# KiCad board ProDocument_ZYNQ7020_V1_2024-04-10.kicad_pcb (continued)
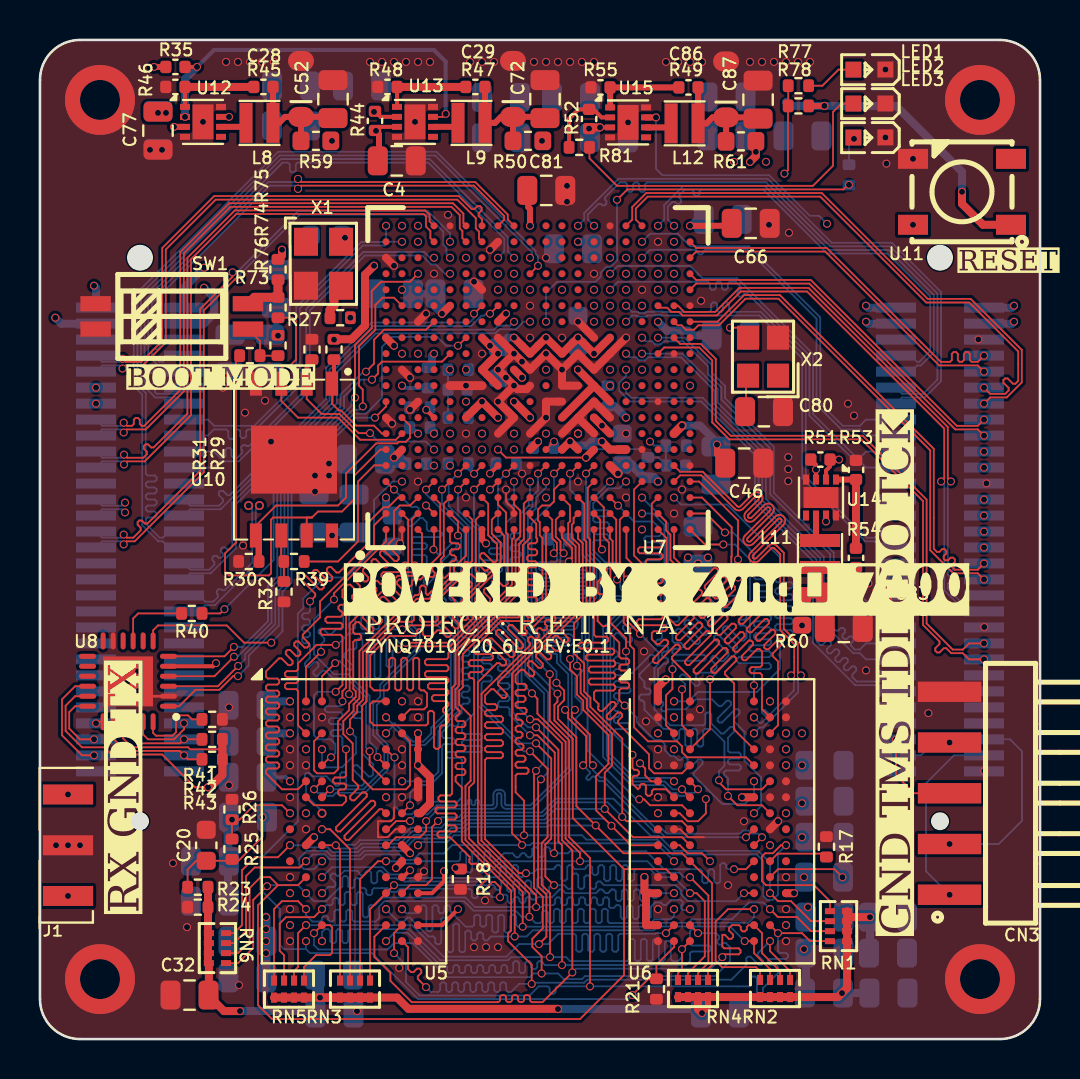
[diagram p0: board, top side]
## Nets (continued)
AIO_16_N: CN1.54 U7.W20
AIO_16_P: CN1.52 U7.V20
AIO_17_N: CN1.53 U7.Y19
AIO_17_P: CN1.51 U7.Y18
AIO_18_N: CN1.31 U7.W16
AIO_18_P: CN1.29 U7.V16
AIO_19_N: CN1.42 U7.R17
AIO_19_P: CN1.40 U7.R16
AIO_20_N: U7.R18
AIO_20_P: U7.T17
AIO_21_N: CN1.35 U7.V18
AIO_21_P: CN1.33 U7.V17
AIO_22_N: CN1.41 U7.W19
AIO_22_P: CN1.39 U7.W18
AIO_23_N: U7.P18
AIO_23_P: U7.N17
AIO_24_N: CN1.36 U7.P16
AIO_24_P: CN1.34 U7.P15
AIO_25: U7.T19
BIO_0: U7.G14
BIO_1_N: CN2.50 U7.B20
BIO_1_P: CN2.48 U7.C20
BIO_2_N: CN2.45 U7.A20
BIO_2_P: CN2.43 U7.B19
BIO_3_N: CN2.41 U7.D18
BIO_3_P: CN2.39 U7.E17
BIO_4_N: CN2.42 U7.D20
BIO_4_P: CN2.40 U7.D19
BIO_5_N: CN2.32 U7.E19
BIO_5_P: CN2.30 U7.E18
BIO_6_N: U7.F17
BIO_6_P: U7.F16
BIO_7_N: U7.M20
BIO_7_P: U7.M19
BIO_8_N: U7.M18
BIO_8_P: U7.M17
BIO_9_N: U7.L20
BIO_9_P: U7.L19
BIO_10_N: U7.J19
BIO_10_P: U7.K19
BIO_11_N: U7.L17
BIO_11_P: U7.L16
BIO_12_N: CN2.31 U7.K18
BIO_12_P: CN2.29 U7.K17
BIO_13_N: CN2.36 U7.H17
BIO_13_P: CN2.34 U7.H16
BIO_14_N: CN2.49 U7.H18
BIO_14_P: CN2.47 U7.J18
BIO_15_N: CN2.46 U7.F20
BIO_15_P: CN2.44 U7.F19
BIO_16_N: U7.G18
BIO_16_P: U7.G17
BIO_17_N: CN2.53 U7.H20
BIO_17_P: CN2.51 U7.J20
BIO_18_N: CN2.54 U7.G20
BIO_18_P: CN2.52 U7.G19
BIO_19_N: CN2.35 U7.G15
BIO_19_P: CN2.33 U7.H15
BIO_20_N: CN2.27 U7.J14
BIO_20_P: CN2.25 U7.K14
BIO_21_N: U7.N16
BIO_21_P: U7.N15
BIO_22_N: U7.L15
BIO_22_P: R82.2 U7.L14
BIO_23_N: U7.M15
BIO_23_P: U7.M14
BIO_24_N: CN2.23 U7.J16
BIO_24_P: CN2.21 U7.K16
BIO_25: U7.J15
DDR_A0: RN4.2 U5.N3 U6.N3 U7.N2
DDR_A1: RN2.1 U5.P7 U6.P7 U7.K2
DDR_A2: RN5.2 U5.P3 U6.P3 U7.M3
DDR_A3: RN6.4 U5.N2 U6.N2 U7.K3
DDR_A4: RN1.2 U5.P8 U6.P8 U7.M4
DDR_A5: RN5.1 U5.P2 U6.P2 U7.L1
DDR_A6: RN1.1 U5.R8 U6.R8 U7.L4
DDR_A7: RN5.3 U5.R2 U6.R2 U7.K4
DDR_A8: RN2.4 U5.T8 U6.T8 U7.K1
DDR_A9: RN5.4 U5.R3 U6.R3 U7.J4
DDR_A10: RN3.3 U5.L7 U6.L7 U7.F5
DDR_A11: RN2.3 U5.R7 U6.R7 U7.G4
DDR_A12: RN3.4 U5.N7 U6.N7 U7.E4
DDR_A13: RN4.1 U5.T3 U6.T3 U7.D4
DDR_A14: RN2.2 U5.T7 U6.T7 U7.F4
DDR_BA0: RN6.3 U5.M2 U6.M2 U7.L5
DDR_BA1: RN1.3 U5.N8 U6.N8 U7.R4
DDR_BA2: RN4.3 U5.M3 U6.M3 U7.J5
DDR_CAS: RN3.1 U5.K3 U6.K3 U7.P5
DDR_CKE: RN1.4 U5.K9 U6.K9 U7.N3
DDR_CLK_N: R22.2 U5.K7 U6.K7 U7.M2
DDR_CLK_P: R22.1 U5.J7 U6.J7 U7.L2
DDR_CS: RN6.2 U5.L2 U6.L2 U7.N1
DDR_D0: U5.E3 U7.C3
DDR_D1: U5.F7 U7.B3
DDR_D2: U5.F2 U7.A2
DDR_D3: U5.F8 U7.A4
DDR_D4: U5.H3 U7.D3
DDR_D5: U5.H8 U7.D1
DDR_D6: U5.G2 U7.C1
DDR_D7: U5.H7 U7.E1
DDR_D8: U5.D7 U7.E2
DDR_D9: U5.C3 U7.E3
DDR_D10: U5.C8 U7.G3
DDR_D11: U5.C2 U7.H3
DDR_D12: U5.A7 U7.J3
DDR_D13: U5.A2 U7.H2
DDR_D14: U5.B8 U7.H1
DDR_D15: U5.A3 U7.J1
DDR_D16: U6.E3 U7.P1
DDR_D17: U6.F7 U7.P3
DDR_D18: U6.F2 U7.R3
DDR_D19: U6.F8 U7.R1
DDR_D20: U6.H3 U7.T4
DDR_D21: U6.H8 U7.U4
DDR_D22: U6.G2 U7.U2
DDR_D23: U6.H7 U7.U3
DDR_D24: U6.D7 U7.V1
DDR_D25: U6.C3 U7.Y3
DDR_D26: U6.C8 U7.W1
DDR_D27: U6.C2 U7.Y4
DDR_D28: U6.A7 U7.Y2
DDR_D29: U6.A2 U7.W3
DDR_D30: U6.B8 U7.V2
DDR_D31: U6.A3 U7.V3
DDR_DM0: U5.E7 U7.A1
DDR_DM1: U5.D3 U7.F1
DDR_DM2: U6.E7 U7.T1
DDR_DM3: U6.D3 U7.Y1
DDR_DQS0_N: U5.G3 U7.B2
DDR_DQS0_P: U5.F3 U7.C2
DDR_DQS1_N: U5.B7 U7.F2
DDR_DQS1_P: U5.C7 U7.G2
DDR_DQS2_N: U6.G3 U7.T2
DDR_DQS2_P: U6.F3 U7.R2
DDR_DQS3_N: U6.B7 U7.W4
DDR_DQS3_P: U6.C7 U7.W5
DDR_ODT: RN6.1 U5.K1 U6.K1 U7.N5
DDR_RAS: RN3.2 U5.J3 U6.J3 U7.P4
DDR_RESET: R21.2 U5.T2 U6.T2 U7.B4
DDR_WE: RN4.4 U5.L3 U6.L3 U7.M5
DDRVTT: C31.2 C32.2 C33.2 C34.2 C35.1 C38.1 C39.1 C40.1 R23.2 R24.1 RN1.5 RN1.6 RN1.7 RN1.8 RN2.5 RN2.6 RN2.7 RN2.8 RN3.5 RN3.6 RN3.7 RN3.8 RN4.5 RN4.6 RN4.7 RN4.8 RN5.5 RN5.6 RN5.7 RN5.8 RN6.5 RN6.6 RN6.7 RN6.8
DONE: R77.2 R78.2 U7.R11
ETH_RX_CLK: U7.B17
ETH_RXCTL: U7.D13
ETH_RXD0: U7.D11
ETH_RXD1: U7.A16
ETH_RXD2: U7.F15
ETH_RXD3: U7.A15
ETH_TX_CLK: U7.A19
ETH_TXCTL: U7.F14
ETH_TXD0: U7.E14
ETH_TXD1: U7.B18
ETH_TXD2: U7.D10
ETH_TXD3: U7.A17
JTAG_TCK: CN1.3 CN3.1 U7.F9
JTAG_TDI: CN1.6 CN3.3 U7.G6
JTAG_TDO: CN1.5 CN3.2 U7.F6
JTAG_TMS: CN1.4 CN3.4 U7.J6
MIO7: R33.2 U7.D8
MIO8: R28.2 U7.D5
PG_1V0: R35.2 U12.2 U13.7
PG_1V5: R51.2 U14.2 U15.7
PG_1V8: R44.2 U13.2 U14.7
PG_3V3: R52.2 R81.2 U15.2
PL_CLK: U7.U15 X2.3
PS_CLK: R27.2 U7.E7
QSPI_CLK: R32.2 R39.2 U10.6
QSPI_CS: R29.2 U7.A7 U10.1
QSPI_D0: R30.2 U7.B8 U10.5
QSPI_D1: R31.2 U7.D6 U10.2
QSPI_D2: R74.2 U7.B7 U10.3
QSPI_D3: R73.2 U7.A6 U10.7
SD_CD: U7.B14
SD_CLK: R40.2 U8.9
SD_CMD: U7.C17 U8.4
SD_D0: U7.E12 U8.6
SD_D1: U7.A9 U8.7
SD_D2: U7.F13 U8.1
SD_D3: U7.B15 U8.3
SDO_CLK: CN2.8 U8.19
SDO_CMD: CN2.3 R43.1 U8.20
SDO_D0: CN2.6 U8.18
SDO_D1: CN2.4 U8.16
SDO_D2: CN2.7 U8.23
SDO_D3: CN2.5 R42.1 U8.22
UART1_RX: J1.3 U7.C12
UART1_TX: J1.1 U7.B12
VPLL: U7.G8
VREF_DDR: C36.2 C37.1 C42.2 C43.1 R25.2 R26.1 U5.H1 U5.M8 U6.H1 U6.M8
Net-(C28-Pad1): C28.1 C52.1 L8.2 R45.2 R59.1
Net-(C29-Pad1): C29.1 C72.1 L9.2 R47.2 R50.1
Net-(C83-Pad1): C83.1 C85.1 L11.2 R54.2 R60.1
Net-(C86-Pad1): C86.1 C87.1 L12.2 R49.2 R61.1
Net-(LED1-A): LED1.2 R77.1
Net-(LED2-A): LED2.2 R81.1
Net-(LED3-A): LED3.2 R82.1
Net-(SW1-B1): R74.1 R75.1 SW1.4
Net-(SW1-B2): R73.1 R76.1 SW1.3
Net-(U5-ZQ): R18.1 U5.L8
Net-(U6-ZQ): R17.1 U6.L8
Net-(U7A-PS_MIO6_500): R39.1 U7.A5
Net-(U7A-PS_POR_B_500): R36.2 U7.C7
Net-(U7B-PS_MIO40_501): R40.1 U7.D14
Net-(U7B-PS_MIO_VREF_501): C48.1 R37.1 R38.2 U7.E11
Net-(U7B-PS_SRST_B_501): R34.1 U7.B10
Net-(U7C-INIT_B_0): R1.2 U7.R10
Net-(U7C-PROGRAM_B_0): R2.2 U7.L6
Net-(U7E-PS_DDR_VRN_502): R20.2 U7.G5
Net-(U7E-PS_DDR_VRP_502): R19.2 U7.H5
Net-(U7F-PS_DDR_VREF0_502): C1.1 R3.1 R6.2 U7.H6 U7.P6
Net-(U8-SEL): R41.2 U8.24
Net-(U12-FB): R45.1 R46.1 U12.1
Net-(U12-LX): L8.1 U12.6
Net-(U13-FB): R47.1 R48.1 U13.1
Net-(U13-LX): L9.1 U13.6
Net-(U14-FB): R53.1 R54.1 U14.1
Net-(U14-LX): L11.1 U14.6
Net-(U15-FB): R49.1 R55.1 U15.1
Net-(U15-LX): L12.1 U15.6
Net-(X1-OUT): R27.1 X1.3
Net-(X1-VCC): C44.1 X1.4
Net-(X2-VDD): C80.1 X2.4

Pads without a net: CN1 7 8 9 10 11 13; CN2 9 10 11 12 13 14 15 16 17 18 22 24 26 28; U5 J1 J9 L1 L9 M7; U6 J1 J9 L1 L9 M7; U7 A10 A11 A12 A14 B5 B9 B13 C5 C6 C8 C10 C11 C13 C15 C16 C18 D9 D15 D16 E6 E8 E9 E13 E16 F12 K9 L10 T5 T9 U5 U7 U8 U9 U10 V5 V6 V7 V8 V10 V11 W6 W8 W9 W10 W11 Y6 Y7 Y8 Y9 Y11 Y12 Y13; U8 8 10 12 13 14 15; U11 2; U12 5; U13 5; U14 5; U15 5; X1 1; X2 1

## Via types
v1: diameter 0.4, hole 0.3, TOP_GND to BOTTOM, 619 vias
v2: diameter 0.45, hole 0.3, TOP_GND to BOTTOM, 11 vias
v3: diameter 3.5, hole 2, TOP_GND to BOTTOM, 4 vias

## Routing (per net, layer and track width the routed paths; a pad name or vN(x,y) marks a point on that pad's centre or on a via; arc(x,y) is an arc through that point)
1.0V: length 18.9
  TOP_GND w0.4: v1(28.1,30.7) U7.P8 U7.R7 ; U7.G13 v1(22.5,34.7) v1(22.9,34.3) U7.G11 U7.H10 ; U7.R13 v1(27.7,34.3) v1(26.9,35.1) U7.M12 v1(25.3,35.1) U7.K12 v1(23.7,35.1)
  SIGNAL1 w0.4: v1(22.9,34.3) 22.9,34.5 ; v1(28.1,30.7) 27.9,30.5 27.1,30.5 v1(26.9,30.3) 26.72,30.48 25.47,30.47 v1(25.3,30.3) 25.12,30.48 23.87,30.47 v1(23.7,30.3)
  BOTTOM w0.4: C73.2 23.39,35.1 v1(23.7,35.1) ; v1(22.5,34.7) v1(22.9,34.3) ; v1(26.9,35.1) 26.9,34.7
  vias: v1(14.6,44.95) v1(22.1,30.3)
1.5V: length 45.9
  TOP_GND w0.09: v1(22.5,27.5) U7.H4 ; U6.F1 30.55,12.9 30.26,13.19 30.26,13.54 v1(30,13.8) ; v1(28.1,24.5) 28.01,24.59 28.01,25.99 U7.P2 ; U6.K2 31.98,9.7 32.38,9.3 33.1,9.3 v1(33.5,8.9) ; v1(33.29,12.01) 33.29,11.29 32.9,10.9 32.38,10.9 31.98,11.3 U6.H2 ; v1(11.12,11.1) 11.12,10.12 9.92,8.92 7.82,8.92 7.38,8.48 R23.1 ; U7.D2 v1(19.3,26.7)
  TOP_GND w0.2: v1(20.9,6.5) 20.1,5.7 U5.R9 ; U5.N9 19.6,7.3 20.2,7.9 v1(20.2,8.4)
  TOP_GND w0.3: v1(18.9,15.3) v1(18.9,13.71) U5.E9 ; U7.G1 22.1,25 v1(22.3,24.8)
  TOP_GND w0.4: v1(30.22,8.11) 30.22,7.38 30.3,7.3 ; U6.A1 30.9,17.61 v1(31.29,18) ; U6.R1 30.3,5.7 30.3,7.3 ; v1(18.5,9.3) U5.K8 ; U6.N9 v1(37.7,7.3) ; v1(18.9,13.71) 19.5,13.11 19.5,11.79 19.01,11.3 U5.H9 ; U6.G7 v1(35.1,12.1) ; 30.3,7.3 U6.N1 ; U5.K2 v1(13.7,10.1)
  TOP_GND w0.45: U7.R5 v1(28.9,28.3)
  BOTTOM w0.2: v1(12.5,12.9) 12.3,13.1 11.3,13.1
  BOTTOM w0.4: v1(12.5,16.9) 11.5,16.9 11.3,16.7 ; C21.2 17.3,26.51 v1(17.3,27.1) ; 38.3,2.3 38.3,4.4 v1(38.2,4.5) ; v1(12.5,15.3) 11.7,15.3 11.3,14.9
  BOTTOM w0.45: v1(11.3,6.1) 11.3,3.06 11.3,3.06 ; v1(30.9,27.9) 30.71,28.09 30.22,28.09 29.57,28.75 C22.2 28.9,28.53 v1(28.9,28.3)
  vias: v1(11.3,5.5) v1(11.3,4.9) v1(11.3,4.3) v1(12.5,7.3) v1(12.5,5.7) v1(13.3,16.1) v1(13.3,14.5) v1(13.3,11.3) v1(17.3,12.1) v1(18.1,16.9) v1(20.5,28.7) v1(25.3,27.1) v1(30.1,25.5) v1(30.9,15.3) v1(31.7,16.1) v1(31.7,14.5) v1(32.4,24.1) v1(32.9,23.8) v1(33.4,24.1) v1(36.5,16.9) v1(36.5,9.7) v1(37.3,15.3) v1(37.3,14.5) v1(37.3,13.7) v1(37.3,11.3) v1(37.3,5.7) v1(38.1,20.7) v1(38.1,15.3) v1(38.1,13.7) v1(38.1,11.8) v1(38.1,10.1) v1(38.2,8.1) v1(38.4,6.6)
1.8V: length 49.5
  TOP_GND w0.2: U8.5 8.64,18.65 v1(8.8,18.81)
  TOP_GND w0.4: U7.J11 v1(24.1,33.1) ; U7.R9 U7.P10 ; U7.P10 U7.M8 ; U7.P10 v1(26.9,33.5) ; U7.F8 v1(22.1,31.9) v1(22.9,31.1) ; v1(24.5,31.1) v1(23.7,31.9) ; U7.A13 v1(17.7,34.7) ; U7.E15 v1(20.1,36.3)
  SIGNAL1 w0.4: v1(21.3,33.5) 22.1,32.7 v1(22.1,31.9) ; v1(17.7,34.7) 17.7,35.01 17.71,35.02 19.7,35.02 ; 26.72,33.68 v1(26.9,33.5) ; v1(20.1,36.3) 20.1,35.42 19.7,35.02 ; 25.47,33.68 v1(25.3,33.5) 24.5,33.5 v1(24.1,33.1) 24.1,32.99 24.19,32.9 24.19,32.39 v1(23.7,31.9) v1(22.9,31.1) ; 19.7,35.02 v1(19.7,34.3)
  SIGNAL2 w0.4: v1(17.7,34.7) 17.41,34.42 14.22,34.42 12.62,32.81 12.62,23.81 8.8,19.99 v1(8.8,18.81)
  BOTTOM w0.09: 19.8,37.3 19.6,37.5
  BOTTOM w0.4: v1(19.7,34.3) 19.6,34.2 19.6,33.8 R34.2 ; v1(20.1,36.3) 19.8,36.6 19.8,37.3 18.62,37.3 18.42,37.5 v1(18.1,37.5) ; v1(24.5,31.1) v1(23.7,31.9)
  vias: v1(25.1,44.95)
3.3V: length 145.7
  TOP_GND w0.09: U8.17 1.76,17.16 1.28,16.68 1.28,15.42 2.1,14.6 3.2,14.6 3.56,14.24 6.11,14.24 7.75,12.6 v1(8.4,12.6) ; U8.21 4.16,15.04 4.6,14.6 7.4,14.6 7.5,14.5 9.12,14.5
  TOP_GND w0.3: 24.42,42.47 24.42,41.63 24.5,41.55 v1(24.5,40.7) ; 34.61,40.82 34.49,40.7 v1(32.5,40.7) ; 34.31,28.82 33.85,29.28 v1(33.85,29.75) ; v1(39.22,46.7) R78.1
  TOP_GND w0.4: R75.2 12.1,39.22 v1(12.1,39.5) ; v1(16.7,38.7) 16.25,38.25 16.25,35.7 15.57,35.02 R29.1 ; 28.9,29.5 U7.R6 v1(28.1,29.9) ; U11.1 47.15,40.75 46.1,41.8 v1(46.1,42.4) ; v1(35.5,43.9) 35.79,44.19 R61.2 v1(35.79,44.4) ; U7.K6 v1(24.9,29.9) ; U7.N6 v1(26.5,29.9) U7.M6 ; v1(8.4,12.6) 8.5,12.6 9.12,13.22 R42.2 ; U7.H14 v1(23.3,36.3) ; v1(17.7,29.1) U7.B6
  TOP_GND w0.45: U7.W7 v1(32.1,30.7) ; U7.T6 28.9,29.5
  GND0 w0.4: v1(11.9,35.2) 12.1,35 v1(14.7,35) ; v1(18.9,39.9) 18.9,39.65 18.45,39.2 17.2,39.2 v1(16.7,38.7)
  SIGNAL1 w0.2: v1(31.7,38.3) 31.31,38.69 28.89,38.69 ; 28.89,38.69 28.89,37.09 v1(28.5,36.7) ; 28.89,38.69 v1(29.3,39.1) ; v1(30.9,35.9) 30.7,36.1 30.17,36.1 29.97,36.3 28.9,36.3 v1(28.5,36.7) ; v1(26.1,37.5) 26.49,37.11 28.09,37.11 v1(28.5,36.7) ; 27.37,36.3 27.38,36.29 28.09,36.29 v1(28.5,36.7) ; v1(23.3,36.3) 23.3,37.9 v1(23.7,38.3) 23.29,38.71 21.69,38.71 v1(21.3,39.1) ; v1(28.5,36.7) 28.1,37.1
  SIGNAL1 w0.3: v1(32.5,40.7) 32.5,39.1 v1(31.7,38.3)
  SIGNAL1 w0.4: v1(8.4,12.6) 8.7,12.6 8.9,12.8 8.9,16.74 9.66,17.5 11.35,17.5 15.6,21.75 15.6,24.2 v1(14.6,25.2) 14.6,26.01 v1(17.7,29.1) 18.5,29.1 v1(19.7,30.3) 21.1,28.9 23.9,28.9 v1(24.9,29.9) 24.99,29.81 ; v1(12.1,39.5) 12.1,38.8 11.92,38.62 11.92,35.22 v1(11.9,35.2) ; v1(30.1,33.5) 31.39,34.79 31.39,35.41 v1(30.9,35.9) ; v1(30.1,33.5) 31.7,33.5 v1(32.5,32.7) ; v1(30.1,33.5) 30.1,31.9 v1(29.3,31.1) ; 26.41,29.81 v1(26.5,29.9) 26.59,29.81 ; v1(21.3,39.1) 21.3,40.1 20.9,40.5 20.1,40.5 19.5,39.9 v1(18.9,39.9)
  BOTTOM w0.3: 33.21,41.02 32.82,41.02 v1(32.5,40.7) ; v1(33.85,29.75) 33.85,29.67 33.8,29.62 ; 11.81,36.62 11.81,35.29 v1(11.9,35.2)
  BOTTOM w0.4: v1(26.9,39.9) 27.22,39.9 27.57,39.55 27.57,39.58 27.54,39.62 ; 17.9,29.1 v1(17.7,29.1) 17.32,29.1 C60.2 ; v1(11.9,35.2) 9.5,35.2 ; v1(46.1,42.4) 46.1,43.4 42.8,46.7 v1(39.22,46.7) 37.5,46.7 37.3,46.9 ; 33.61,35.22 32.63,35.22 32.4,35.45 31.35,35.45 v1(30.9,35.9) ; v1(29.3,31.1) 28.72,31.68 28.5,31.68 ; v1(26.5,29.9) 26.7,29.7 27.37,29.7 27.57,29.9 v1(28.1,29.9) ; v1(32.1,30.7) 33,30.7 33.8,29.9 33.8,29.62 ; R36.1 19.7,30.4 v1(19.7,30.3) ; 15.7,25.38 13.7,25.38
  BOTTOM w0.45: v1(17.7,29.1) 18,29.1 R28.1 17.46,28.8 C60.2
  vias: v1(34.7,43.9) v1(36.3,43.9)
5V: length 33.2
  TOP_GND w0.09: U12.7 v1(9.45,46.15)
  TOP_GND w0.2: U14.3 v1(38.8,28.5) 38.8,28.74 R51.1 ; U13.3 16.93,45.65 R44.1 ; U15.3 v1(28,45.63)
  TOP_GND w0.3: 16.95,43.75 16.95,45.27 16.8,45.42 v1(16.8,45.45) 16.77,45.45 R44.1 ; v1(5.7,48.65) R35.1 ; U12.3 v1(6.7,45.65)
  TOP_GND w0.4: v1(28,45.63) 27.51,45.63 v1(27.45,45.57)
  SIGNAL1 w0.4: v1(38.8,28.5) 39.23,28.5 39.32,28.41 40.62,28.41 40.82,28.61 40.82,29.51 40.52,29.81 40.02,29.81 39.72,30.11 39.72,35.31 40.31,35.9 v1(41.3,35.9)
  BOTTOM w0.4: v1(0.77,36.1) 1.07,35.8 CN2.58 ; CN2.57 8.2,35.8 8.7,36.3 8.7,37.1 v1(8.2,37.6) ; v1(48.7,36.7) 48.6,36.6 CN1.59 ; v1(41.3,36.7) 41.4,36.6 CN1.60 ; v1(48.7,35.9) 48.6,35.8 CN1.57 ; CN1.58 41.4,35.8 v1(41.3,35.9) ; CN2.59 7.2,37.6 v1(8.2,38.6) ; CN2.60 2.8,37.6 v1(2.7,37.7)
  vias: v1(5.9,46.35) v1(6.3,46.35)
GND: length 46
  TOP_GND w0.09: U5.J8 17.77,10.5 17.37,10.1 16.9,10.1 16.9,10.9 17.55,10.9 17.7,11.05 17.7,11.6 ; 26.1,23.5 26.1,23.55 v1(26.45,23.9) 26.6,24.05 26.6,24.58 26.1,25.08 U7.M1 ; v1(23.3,27.5) 23.3,26.9 23.7,26.5 U7.J2 ; 33.2,10.1 32.4,10.1 32,10.5 U6.J2 ; U7.B1 18.1,24.9 v1(18,24.8)
  TOP_GND w0.127: v1(4.4,17.9) 5.14,17.16 U8.2
  TOP_GND w0.2: v1(19.2,8.4) 18.9,8.1 U5.M9
  TOP_GND w0.4: U7.P13 v1(26.9,35.9) ; U7.A8 v1(17.6,30.8) ; v1(23.7,32.7) v1(23.3,33.1) v1(22.9,33.5) v1(23.7,34.3) ; v1(23.7,32.7) 23.87,32.52 24.32,32.52 U7.K10 ; v1(23.7,32.7) v1(22.9,31.9) U7.J8 U7.H7 ; U7.N8 U7.M7 ; U7.N8 U7.P7 ; U7.N8 U7.P9 U7.R8 ; U7.C14 v1(19.3,36.3) ; v1(18.5,33.1) U7.B11 ; U7.G16 v1(21.7,37.9) ; U7.N10 U7.M10 v1(26.1,33.5) ; v1(22.5,39.5) U7.H19 ; U5.G9 U5.F9 ; v1(29.3,35.1) U7.R12 U7.P11 U7.N12 v1(26.1,33.5) ; v1(26.1,33.5) v1(25.3,34.3) U7.K11 v1(24.1,33.9) v1(23.7,34.3) ; 18.1,10.51 U5.J8 ; U7.M9 U7.L9 v1(25.3,31.1) U7.K7 ; U7.C9 v1(18.5,31.5) ; U7.H13 v1(23.7,34.3) ; U7.A18 v1(17.7,38.7) ; U6.J8 v1(36.9,10.9)
  TOP_GND w0.45: U7.E10 v1(21.3,32.7) U7.G10
  BOTTOM w0.4: 21.9,37.3 21.7,37.5 v1(21.7,37.9) ; v1(26.9,35.9) 26.9,36.25
  vias: v1(4.9,18.4) v1(4.9,17.4) v1(4.9,17.4) v1(5.5,44.5) v1(6.1,44.5) v1(6.65,8.8) v1(7.35,5.6) v1(9.15,33.2) v1(9.15,32.6) v1(9.3,48.9) v1(9.45,16.6) v1(9.45,12.7) v1(9.9,48.9) v1(9.95,2.7) v1(10.15,24.7) v1(10.25,31.35) v1(10.5,48.9) v1(11.1,48.9) v1(11.25,31.95) v1(11.55,29.9) v1(11.7,48.9) v1(12.5,16.1) v1(12.5,14.5) v1(12.5,13.7) v1(12.5,12.1) v1(12.5,8.1) v1(12.5,6.5) v1(12.5,4.9) v1(13.3,13.7) v1(13.3,10.5) v1(13.75,28.2) v1(13.75,27.4) v1(14.1,16.1) v1(14.45,28.8) v1(14.45,28.2) v1(15.85,1.4) v1(16.5,48.9) v1(17.1,48.9) v1(17.7,48.9) v1(17.96,3.56) v1(18.1,14.5) v1(18.1,13.7) v1(18.1,12.1) v1(18.3,48.9) v1(18.9,48.9) v1(18.9,27.9) v1(18.9,16.9) v1(18.9,16.1) v1(19.5,48.9) v1(19.7,38.3) v1(20.4,41.25) v1(21.3,30.3) v1(21.3,27.1) v1(21.5,48.9) v1(21.7,4.6) v1(22.1,48.9) v1(22.1,34.3) v1(22.25,6.94) v1(22.3,4.6) v1(22.7,48.9) v1(22.9,4.6) v1(24.1,28.3) v1(24.5,36.7) v1(24.5,35.1) v1(24.7,48.9) v1(25.3,48.9) v1(25.3,39.1) v1(25.9,48.9) v1(26.1,35.1) v1(26.35,42.7) v1(26.35,41.9) v1(26.5,48.9) v1(26.9,27.9) v1(27.1,48.9) v1(27.7,48.9) v1(27.7,38.3) v1(29.3,30.3) v1(29.3,27.1) v1(30.1,37.5) v1(30.2,19.4) v1(30.3,15.9) v1(30.9,39.9) v1(30.9,14.5) v1(30.9,13.7) v1(30.9,12.1) v1(30.9,6.5) v1(31.3,48.9) v1(31.7,26.3) v1(31.9,48.9) v1(32.1,27.5) v1(32.5,48.9) v1(33.05,36.95) v1(33,16.5) v1(33.1,48.9) v1(34.4,7.7) v1(35.2,10.9) v1(35.5,48.9) v1(36.1,48.9) v1(36.45,40.75) v1(36.7,48.9) v1(37.3,48.9) v1(37.3,8.1) v1(37.3,6.5) v1(37.3,4.9) v1(37.45,40.35) v1(37.41,29.12) v1(37.41,28.52) v1(37.41,27.92) v1(37.9,48.9) v1(38.5,48.9) v1(40.4,31.8) v1(40.7,31.2) v1(41.3,18.45) v1(41.42,22.81) v1(41.4,21.3) v1(42.27,48.52) v1(42.27,45.12) v1(42.32,43.81) v1(42.72,20.61) v1(43.65,44.05) v1(44.42,16.31) v1(46.92,35.01) v1(47.21,20.62) v1(47.21,13.42) v1(47.32,27.81) v2(0.8,9.7) v2(1.4,9.7) v2(2,9.7) v2(8.15,45.9) v2(18.75,45.9) v2(29.4,45.88) v3(3,47) v3(3,3) v3(47,47) v3(47,3)
AIO_1_N: length 26.6
  BOTTOM w0.09: CN1.14 42.49,17.89 40.84,17.89 40.61,18.11 40.61,18.24 40.81,18.44 40.81,18.57 40.73,18.65 40.6,18.65 40.4,18.45 40.27,18.45 40.19,18.54 40.19,18.67 40.39,18.86 40.39,18.99 40.3,19.08 40.18,19.08 39.98,18.88 39.85,18.88 39.77,18.96 39.77,19.09 39.96,19.29 39.96,19.42 39.88,19.5 39.75,19.5 39.55,19.3 39.43,19.3 39.34,19.39 39.34,19.51 39.54,19.71 39.54,19.84 39.45,19.92 39.33,19.92 39.13,19.73 39,19.73 38.83,19.9 38.83,23.99 35.93,26.89 35.93,29.3 33.14,32.09 29.56,32.09 29.3,32.35 v1(29.3,32.7)
AIO_1_P: length 25.1
  BOTTOM w0.09: v1(29.3,33.5) 29.3,33.18 28.96,32.85 28.96,32.44 29.49,31.91 33.06,31.91 35.75,29.22 35.75,26.81 38.65,23.91 38.65,19.82 40.76,17.71 42.49,17.71 CN1.12
AIO_2_N: length 23.6
  BOTTOM w0.09: CN1.18 41.3,19.8 40.99,19.49 40.74,19.49 40.55,19.68 40.55,19.81 40.67,19.93 40.67,20.06 40.59,20.14 40.46,20.14 40.34,20.02 40.21,20.02 40.12,20.1 40.12,20.23 40.25,20.36 40.25,20.48 40.16,20.57 40.04,20.57 39.91,20.44 39.78,20.44 39.19,21.04 39.19,24.14 36.29,27.04 36.29,29.45 33.89,31.85 33.89,32.54 32.13,34.3 v1(30.1,34.3)
AIO_2_P: length 23.6
  BOTTOM w0.09: CN1.16 41.3,19 40.99,19.31 40.66,19.31 39.01,20.96 39.01,24.06 36.11,26.96 36.11,29.37 33.71,31.77 33.71,32.46 32.05,34.12 30.39,34.12 30.24,33.96 29.96,33.97 29.81,34.12 29.48,34.12 v1(29.3,34.3)
AIO_3_N: length 19.9
  BOTTOM w0.09: CN1.24 42.05,22.2 41.74,21.89 41.34,21.89 39.69,23.54 39.69,24.34 36.69,27.34 36.69,29.64 34.25,32.08 34.25,32.69 33.59,33.35 33.59,33.74 32.23,35.1 v1(30.9,35.1)
AIO_3_P: length 21.5
  BOTTOM w0.09: v1(30.1,35.1) 30.28,34.92 30.61,34.92 30.76,34.77 31.04,34.77 31.19,34.92 32.15,34.92 33.41,33.66 33.41,33.27 34.07,32.61 34.07,32 36.51,29.56 36.51,27.26 39.51,24.26 39.51,23.46 40.58,22.39 40.58,22.26 40.42,22.1 40.42,21.97 40.5,21.89 40.63,21.89 40.79,22.05 40.92,22.05 41.26,21.71 41.74,21.71 42.05,21.4 CN1.22
AIO_4_N: length 27.5
  TOP_GND w0.09: U7.W13 32.01,34.79 33.04,34.79 33.79,34.04 33.79,30.94 34.54,30.19 41.14,30.19 44.33,27 44.33,20.8 45.64,19.49 46.14,19.49 46.45,19.8 v1(47.2,19.8)
AIO_4_P: length 29.1
  TOP_GND w0.09: U7.V12 31.21,34.61 32.96,34.61 33.61,33.96 33.61,30.86 34.46,30.01 41.06,30.01 44.15,26.92 44.15,20.72 44.98,19.9 44.98,19.77 44.77,19.56 44.77,19.43 44.85,19.35 44.98,19.35 45.19,19.56 45.32,19.56 45.56,19.31 46.14,19.31 46.45,19 v1(47.2,19)
AIO_5_N: length 23.5
  BOTTOM w0.09: CN1.32 42.05,25.4 41.74,25.09 41.34,25.09 38.29,28.14 38.29,34.14 36.04,36.39 34.54,36.39 34.45,36.48 34.45,36.77 34.36,36.86 34.24,36.86 34.15,36.77 34.15,36.48 34.06,36.39 33.94,36.39 33.85,36.48 33.85,36.77 33.76,36.86 33.64,36.86 33.55,36.77 33.55,36.48 33.46,36.39 31.14,36.39 31.11,36.41 30.69,36.41 30.66,36.39 30.3,36.39 30.25,36.34 29.95,36.34 29.9,36.39 29.61,36.39 v1(29.3,36.7)
AIO_5_P: length 22
  BOTTOM w0.09: v1(29.3,35.9) 29.61,36.21 29.83,36.21 29.88,36.16 30.32,36.16 30.37,36.21 30.74,36.21 30.76,36.23 31.04,36.23 31.06,36.21 35.96,36.21 38.11,34.06 38.11,28.06 41.26,24.91 41.74,24.91 42.05,24.6 CN1.30
AIO_6_N: length 23.3
  SIGNAL2 w0.09: v1(42.8,23.8) 42.49,23.49 40.04,23.49 38.39,25.14 38.39,29.94 33.34,34.98 33.34,35.11 33.56,35.33 33.56,35.45 33.47,35.54 33.35,35.54 33.13,35.32 33,35.32 32.83,35.5 28.7,35.5 28.5,35.7 v1(28.5,35.9)
AIO_6_P: length 23.3
  SIGNAL2 w0.09: v1(27.7,35.9) 28.9,34.7 33.37,34.7 38.21,29.86 38.21,25.06 39.96,23.31 42.49,23.31 v1(42.8,23)
AIO_7_N: length 18
  TOP_GND w0.09: U7.Y17 32.81,37.99 38.54,37.99 45.84,30.69 46.89,30.69 v1(47.2,31)
AIO_7_P: length 18
  TOP_GND w0.09: U7.Y16 32.81,37.81 38.46,37.81 45.76,30.51 46.89,30.51 v1(47.2,30.2)
AIO_8_N: length 25.1
  TOP_GND w0.09: v1(47.2,23.8) 46.89,23.49 45.74,23.49 45.61,23.62 45.61,23.75 45.74,23.88 45.74,24.01 45.66,24.09 45.53,24.09 45.4,23.96 45.27,23.96 45.18,24.04 45.18,24.17 45.32,24.3 45.32,24.43 45.23,24.52 45.11,24.52 44.97,24.38 44.85,24.38 44.69,24.54 44.69,29.54 37,37.23 35.2,37.23 33.87,35.9 U7.Y14
AIO_8_P: length 25.1
  TOP_GND w0.09: U7.W14 31.88,35.72 32.08,35.72 32.3,35.5 32.7,35.5 32.92,35.72 33.95,35.72 35.28,37.05 36.92,37.05 44.51,29.46 44.51,24.46 45.66,23.31 46.89,23.31 v1(47.2,23)
AIO_9_N:
  vias: v1(30.1,38.3)
AIO_9_P: length 19.1
  SIGNAL2 w0.09: v1(29.3,37.5) 28.9,37.9 28.9,39.89 31.51,42.5 39.5,42.5 41.25,40.75 v1(43.65,40.75)
AIO_10_N: length 28.5
  TOP_GND w0.09: U7.W15 31.9,36.7 32.21,36.39 33.76,36.39 34.96,37.59 38.43,37.59 45.39,30.63 45.39,28.06 v1(45.54,27.9)
  BOTTOM w0.09: CN1.23 46.45,22.2 46.14,21.89 46.04,21.89 45.39,22.54 45.39,22.77 45.48,22.86 45.62,22.86 45.71,22.95 45.71,23.07 45.62,23.16 45.48,23.16 45.39,23.25 45.39,23.37 45.48,23.46 45.62,23.46 45.71,23.55 45.71,23.67 45.62,23.76 45.48,23.76 45.39,23.85 45.39,27.75 v1(45.54,27.9)
AIO_10_P: length 28.5
  TOP_GND w0.09: U7.V15 31,36.6 31.36,36.6 31.57,36.39 31.96,36.39 32.14,36.21 33.84,36.21 35.04,37.41 38.35,37.41 45.21,30.55 45.21,28.06 v1(45.05,27.9)
  BOTTOM w0.09: v1(45.05,27.9) 45.21,27.75 45.21,22.46 45.96,21.71 46.14,21.71 46.45,21.4 CN1.21
AIO_12_N: length 19.5
  BOTTOM w0.09: CN1.46 41.3,31 40.99,30.69 40.14,30.69 39.01,31.82 39.01,36.12 35.45,39.68 32.51,39.68 31.89,40.3 30.5,40.3 v1(30.1,39.9)
AIO_12_P: length 19.5
  BOTTOM w0.09: CN1.44 41.3,30.2 40.99,30.51 40.06,30.51 38.83,31.74 38.83,36.04 35.37,39.5 33.26,39.5 33.17,39.41 33.17,39.36 33.08,39.27 32.96,39.27 32.87,39.36 32.87,39.41 32.78,39.5 30.5,39.5 v1(30.1,39.1)
AIO_14_N: length 29.7
  BOTTOM w0.09: CN1.50 43.11,32.29 44.16,32.29 44.87,33 44.87,37.31 42.51,39.67 39.51,39.67 36.31,42.87 30.35,42.87 30.26,42.78 30.26,42.49 30.17,42.4 30.05,42.4 29.96,42.49 29.96,42.78 29.87,42.87 29.75,42.87 29.66,42.78 29.66,42.49 29.57,42.4 29.45,42.4 29.36,42.49 29.36,42.78 29.27,42.87 29,42.87 28.25,42.13 28.25,42 28.32,41.94 28.32,41.81 28.23,41.72 28.11,41.72 28.04,41.79 27.92,41.79 27.39,41.26 27.39,41.01 v1(27.7,40.7)
AIO_14_P: length 28.8
  BOTTOM w0.09: CN1.48 43.11,32.11 44.24,32.11 45.05,32.92 45.05,37.39 42.59,39.85 39.59,39.85 36.39,43.05 28.92,43.05 27.21,41.34 27.21,41.01 v1(26.9,40.7)
AIO_15_N: length 28
  TOP_GND w0.09: v1(47.2,32.6) 47.51,32.29 48.26,32.29 48.43,32.46 48.43,32.59 48.17,32.85 48.17,32.98 48.25,33.06 48.38,33.06 48.64,32.8 48.77,32.8 48.91,32.94 48.91,34.41 46.46,36.86 44.31,36.86 39.01,42.16 30.39,42.16 29.79,41.56 29.79,41.01 U7.U20
AIO_15_P: length 28
  TOP_GND w0.09: v1(47.2,31.8) 47.51,32.11 48.34,32.11 49.09,32.86 49.09,34.49 46.54,37.04 44.39,37.04 39.09,42.34 30.31,42.34 29.61,41.64 29.61,41.01 U7.T20
AIO_16_N: length 22.4
  BOTTOM w0.09: CN1.54 43.55,34.2 43.86,33.89 43.96,33.89 44.51,34.44 44.51,37.16 42.36,39.31 39.36,39.31 36.16,42.51 33.07,42.51 32.98,42.42 32.98,42.29 32.89,42.2 32.77,42.2 32.68,42.29 32.68,42.42 32.59,42.51 32.24,42.51 31.96,42.23 31.96,42.11 32.05,42.01 32.05,41.89 31.97,41.8 31.84,41.8 31.75,41.89 31.62,41.89 31.39,41.66 31.39,41.01 v1(31.7,40.7)
AIO_16_P: length 22.5
  BOTTOM w0.09: v1(30.9,40.7) 31.21,41.01 31.21,41.74 32.16,42.69 36.24,42.69 39.44,39.49 42.44,39.49 44.69,37.24 44.69,34.36 44.04,33.71 43.86,33.71 43.55,33.4 CN1.52
AIO_17_N: length 18.9
  TOP_GND w0.09: U7.Y19 32.81,39.59 39.34,39.59 45.04,33.89 45.5,33.89 45.59,33.98 45.59,34.29 45.68,34.38 45.8,34.38 45.89,34.29 45.89,33.98 45.98,33.89 46.1,33.89 46.19,33.98 46.19,34.29 46.28,34.38 46.4,34.38 46.49,34.29 46.49,33.98 46.58,33.89 46.89,33.89 v1(47.2,34.2)
AIO_17_P: length 17.3
  TOP_GND w0.09: U7.Y18 32.81,39.41 39.26,39.41 44.96,33.71 46.89,33.71 v1(47.2,33.4)
AIO_18_N: length 22.9
  SIGNAL2 w0.09: v1(31.7,37.5) 34.13,37.5 34.42,37.2 34.55,37.2 34.67,37.32 34.8,37.32 34.88,37.23 34.88,37.11 34.76,36.99 34.76,36.86 34.85,36.78 34.98,36.78 35.09,36.9 35.22,36.9 35.31,36.81 35.31,36.68 35.19,36.57 35.19,36.44 35.27,36.35 35.4,36.35 35.52,36.47 35.64,36.47 35.73,36.39 35.73,36.26 35.61,36.14 35.61,36.01 39.89,31.74 39.89,30.54 42.44,27.99 43.14,27.99 46.04,25.09 46.89,25.09 v1(47.2,25.4)
AIO_18_P: length 22.9
  SIGNAL2 w0.09: 46.89,24.91 v1(47.2,24.6) 46.89,24.91 ; 46.89,24.91 45.96,24.91 43.06,27.81 42.36,27.81 39.71,30.46 39.71,31.66 34.05,37.32 31.99,37.32 31.84,37.17 31.56,37.17 31.41,37.32 31.08,37.32 v1(30.9,37.5)
AIO_19_N: length 20.3
  BOTTOM w0.09: v1(28.5,38.3) 28.89,38.69 32.51,38.69 33.12,38.08 34.86,38.08 38.65,34.29 38.65,31.28 40.84,29.09 40.99,29.09 41.3,29.4 CN1.42
AIO_19_P: length 21.9
  BOTTOM w0.09: CN1.40 41.3,28.6 40.99,28.91 40.76,28.91 38.47,31.2 38.47,34.21 35.37,37.31 35.24,37.31 35.08,37.15 34.96,37.15 34.87,37.24 34.87,37.37 35.03,37.53 35.03,37.65 34.78,37.9 34.48,37.9 34.39,37.81 34.39,37.59 34.3,37.5 34.18,37.5 34.09,37.59 34.09,37.81 34,37.9 33.88,37.9 33.79,37.81 33.79,37.59 33.7,37.5 33.58,37.5 33.49,37.59 33.49,37.81 33.4,37.9 28.9,37.9 v1(28.5,37.5)
AIO_20_N:
  vias: v1(28.5,39.1)
AIO_20_P:
  vias: v1(29.3,38.3)
AIO_21_N: length 22.3
  SIGNAL2 w0.09: v1(30.9,39.1) 31.3,38.7 32.6,38.7 33.25,38.05 35.17,38.05 42.69,30.54 42.69,29.34 45.34,26.69 46.89,26.69 v1(47.2,27)
AIO_21_P: length 22.3
  SIGNAL2 w0.09: v1(47.2,26.2) 46.89,26.51 45.26,26.51 42.51,29.26 42.51,30.46 35.1,37.88 34.68,37.88 34.59,37.79 34.59,37.73 34.5,37.64 34.38,37.64 34.29,37.73 34.29,37.79 34.2,37.87 33.17,37.87 33.08,37.97 31.24,37.97 v1(30.9,38.3)
AIO_22_N: length 20.1
  SIGNAL2 w0.09: v1(31.7,39.9) 32.01,39.59 35.54,39.59 46.04,29.09 46.89,29.09 v1(47.2,29.4)
AIO_22_P: length 20.1
  SIGNAL2 w0.09: v1(47.2,28.6) 46.89,28.91 45.96,28.91 35.46,39.41 32.01,39.41 v1(31.7,39.1)
AIO_24_N: length 20.7
  SIGNAL2 w0.09: v1(27.7,37.5) 28.1,37.1 31.3,37.1 31.94,36.45 33.17,36.45 39.39,30.24 39.39,28.54 41.24,26.69 42.49,26.69 v1(42.8,27)
AIO_24_P: length 20.7
  SIGNAL2 w0.09: v1(27.7,36.7) 28.1,36.3 31.85,36.3 31.87,36.28 33.1,36.28 39.21,30.16 39.21,28.46 41.16,26.51 41.57,26.51 41.66,26.42 41.66,26.37 41.75,26.28 41.87,26.28 41.96,26.37 41.96,26.42 42.05,26.51 42.49,26.51 v1(42.8,26.2)
BIO_1_N: length 21
  SIGNAL2 w0.09: v1(18.1,40.7) 17.94,40.55 17.62,40.55 17.44,40.37 17.04,40.37 16.92,40.25 16.79,40.25 16.6,40.44 16.47,40.44 16.39,40.36 16.39,40.23 16.58,40.04 16.58,39.91 16.5,39.82 16.37,39.82 16.17,40.02 16.05,40.02 15.96,39.94 15.96,39.81 16.16,39.61 16.16,39.48 16.07,39.4 15.95,39.4 15.75,39.6 15.62,39.6 15.54,39.51 15.54,39.38 15.73,39.19 15.73,39.06 12.66,35.99 10.86,35.99 7.16,32.29 3.11,32.29 v1(2.8,32.6)
BIO_1_P: length 19.8
  SIGNAL2 w0.09: v1(18.9,40.7) 18.72,40.52 18.39,40.52 18.24,40.37 17.69,40.37 17.51,40.19 17.11,40.19 12.74,35.81 10.94,35.81 7.24,32.11 3.11,32.11 v1(2.8,31.8)
BIO_2_N: length 17
  BOTTOM w0.09: v1(17.3,40.7) 17.3,40.03 17.16,39.89 16.06,39.89 12.81,36.64 12.81,32.79 10.71,30.69 8.71,30.69 8.4,31 CN2.45
BIO_2_P: length 18.6
  BOTTOM w0.09: v1(18.1,39.9) 17.43,39.9 17.24,39.71 16.14,39.71 12.99,36.56 12.99,32.71 10.79,30.51 10.4,30.51 10.31,30.42 10.31,30.17 10.22,30.08 10.1,30.08 10.01,30.17 10.01,30.42 9.92,30.51 9.8,30.51 9.71,30.42 9.71,30.12 9.62,30.03 9.5,30.03 9.41,30.12 9.41,30.42 9.32,30.51 8.7,30.51 8.39,30.2 CN2.43
BIO_3_N: length 20.4
  BOTTOM w0.09: CN2.41 8.7,29.4 9.01,29.09 9.19,29.09 9.28,29.18 9.28,29.49 9.37,29.58 9.49,29.58 9.58,29.49 9.58,29.18 9.67,29.09 9.86,29.09 10.11,29.34 10.11,29.46 10.06,29.51 10.06,29.64 10.15,29.72 10.28,29.72 10.32,29.68 10.45,29.68 13.31,32.54 13.31,36.54 16.16,39.39 19.21,39.39 19.5,39.1 v1(19.7,39.1)
